# KiCad board GSTrackerOrderFile.kicad_pcb (continued)
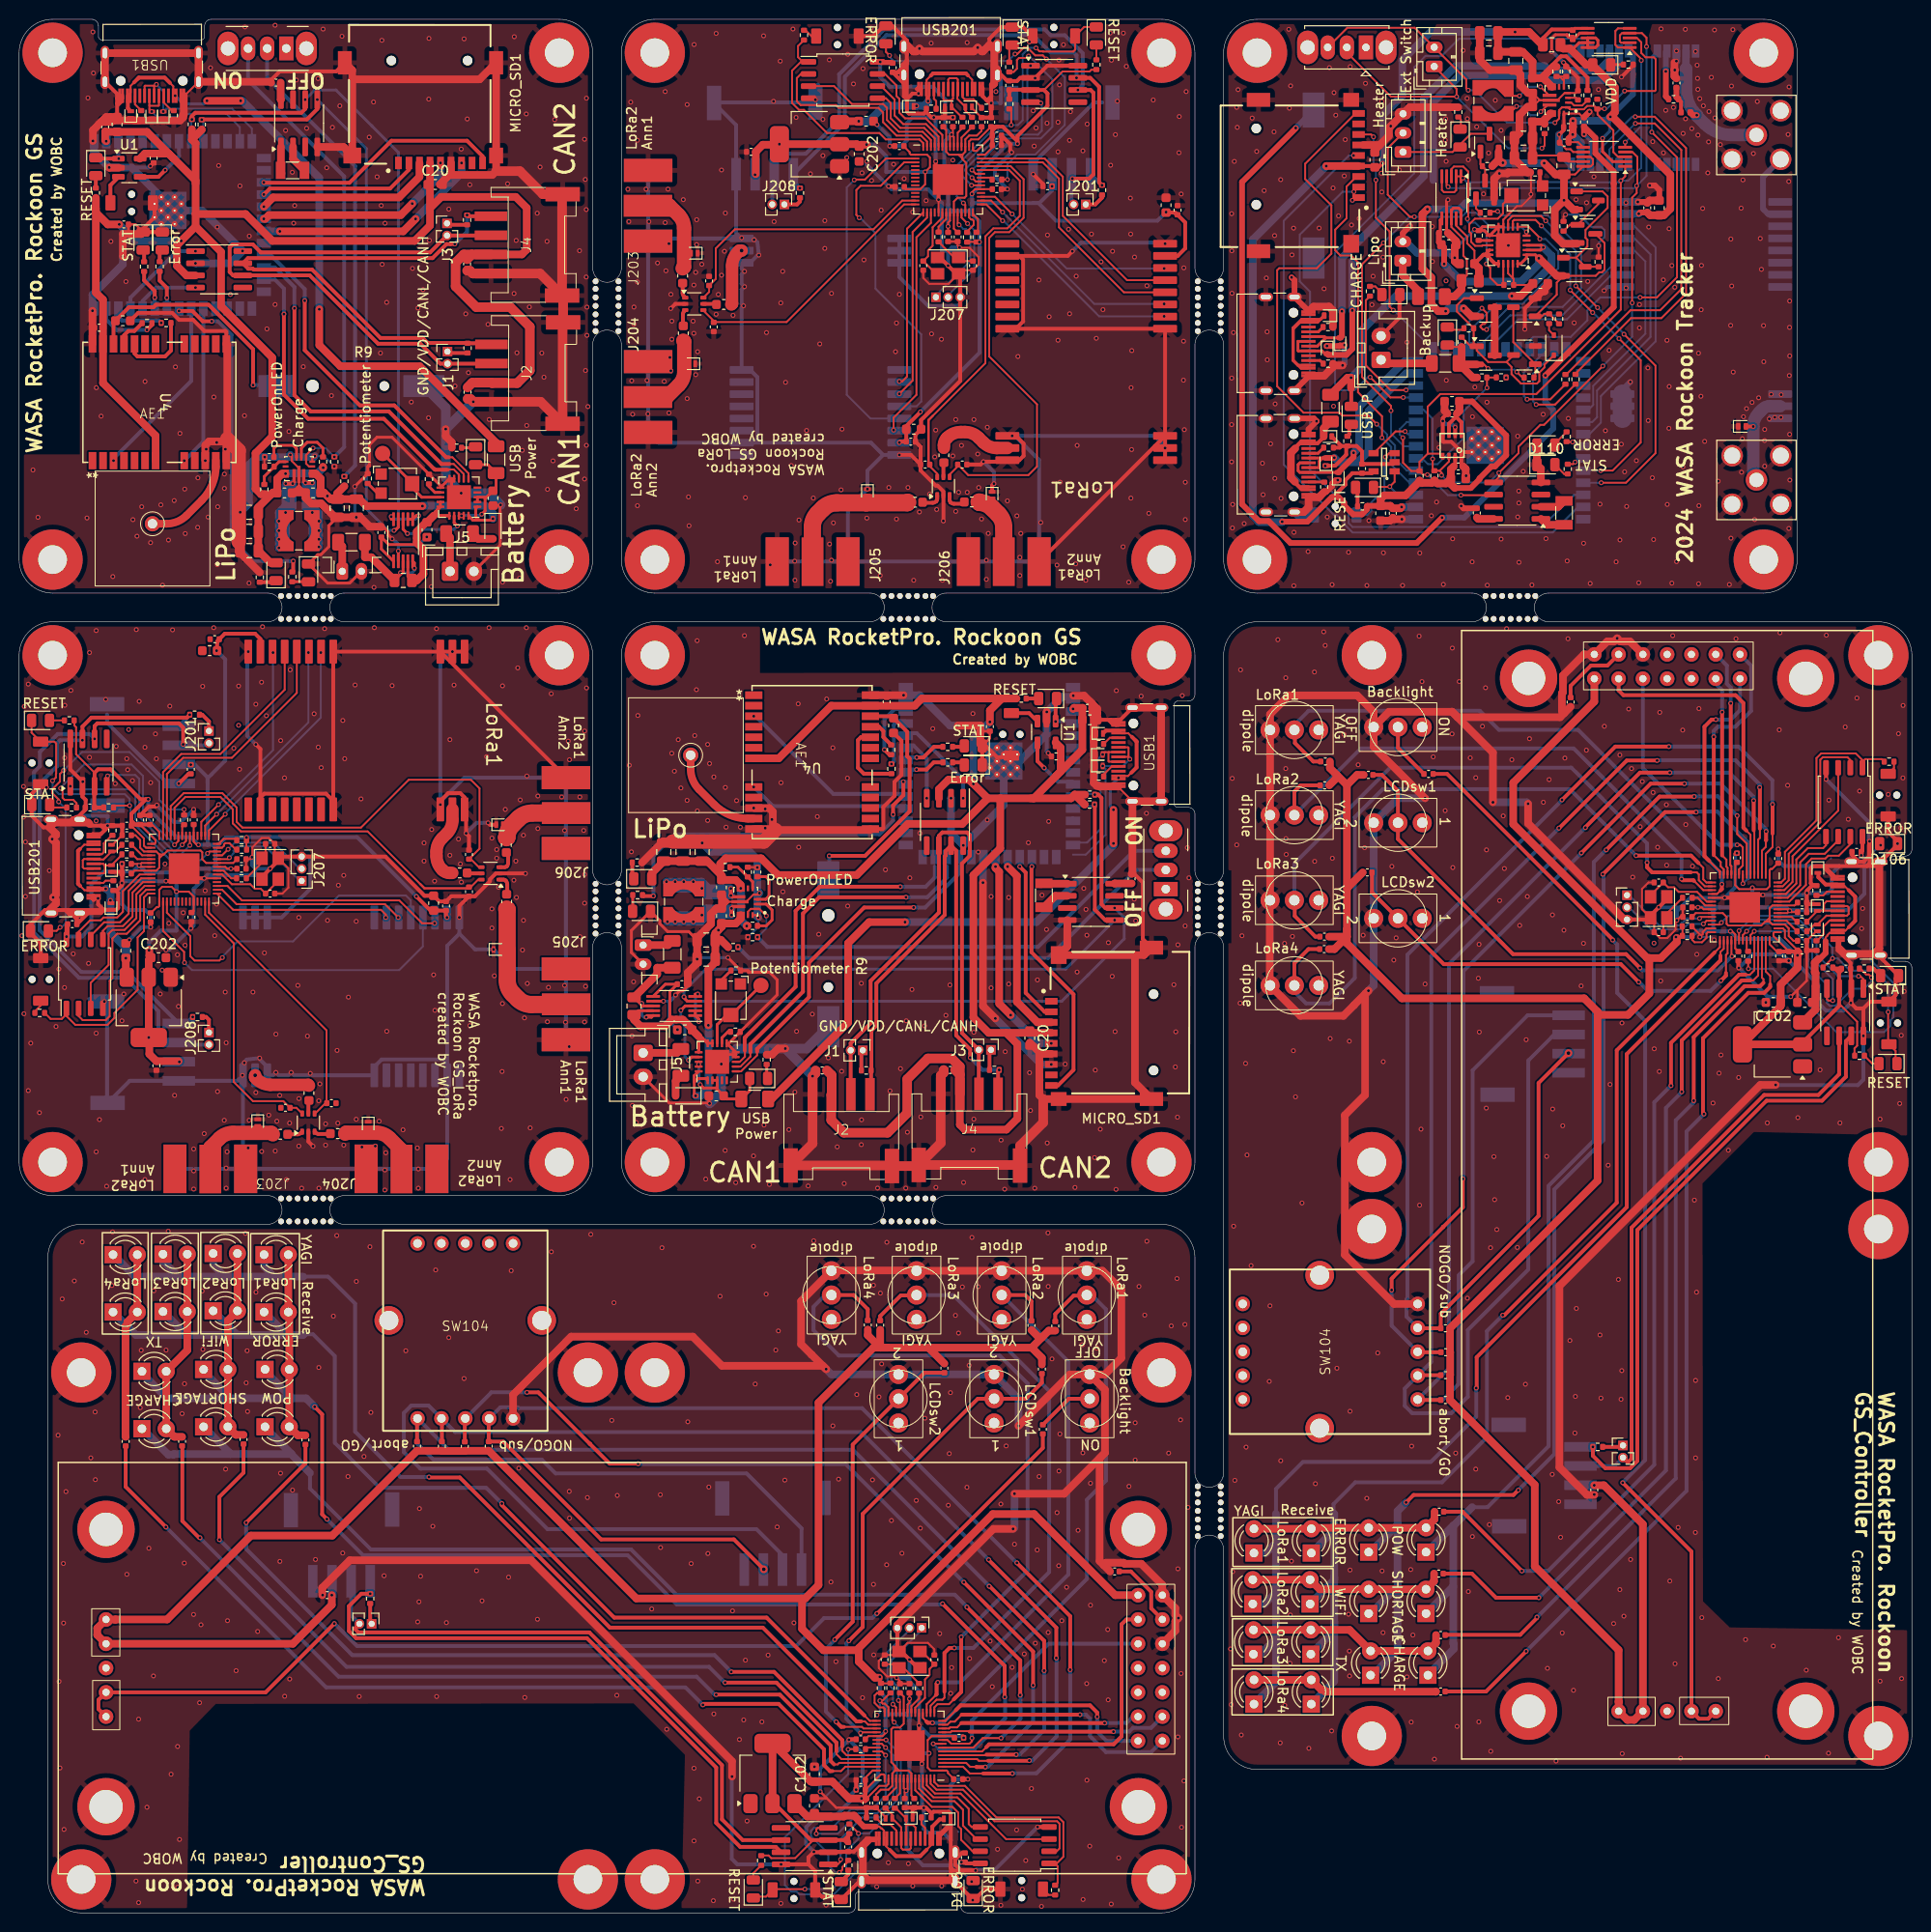
[diagram p0: board, top side]
## Routing (per net, layer and track width the routed paths; a pad name or vN(x,y) marks a point on that pad's centre or on a via; arc(x,y) is an arc through that point) (continued)
  Top w0.35: v1(133.55,186.63) 133.55,186.6 ; U107.14 153.32,173.37 153.17,173.37
  Top w0.4: v1(66.35,106.32) 65.31,106.32 R16#2.2 ; R115.1 159.1,180.84 RV101.3 ; U105.5 141.5,150.54 C112#3.2 139.47,150.54 138.74,149.81 138.74,149.34 137.44,148.04 ; v1(173.9,108.1) 174.02,107.97 175.14,107.97 175.21,107.91 ; v1(101.48,34.15) 101.52,34.15 107.23,28.45 v1(107.23,25.32) ; v1(85.33,28.57) 87.2,30.45 87.2,48.97 SW109#2.2 94.71,56.48 R124#2.2 ; R11#2.1 101.51,90.09 J3#2.1 ; 100.15,15.28 100.17,15.25 v1(101.08,15.25) ; v1(20.95,39.03) 20.95,43.5 23.48,46.03 R117#3.1 ; v1(94.28,156.94) 92.8,155.47 92.8,153.85 C210.1 92.18,153.84 v1(92.08,153.74) ; v1(192.7,110.57) C104#3.2 192.83,111.07 U103.8 ; C205.1 32.52,81.44 31.29,81.44 arc(31.14,81.49) 31,81.59 Switch201#2.3 ; v1(98.55,28.85) 98.55,23.1 97.77,22.32 ; D105#3.2 86.74,4.01 R110.2 ; R6.1 13.08,170.7 14.19,169.58 v1(14.19,168.9) ; v1(186.04,100.12) 186.23,100.12 186.32,100.2 186.32,100.51 186.18,100.64 C111.2 186.04,99.92 v1(186.04,100.12) ; v1(186.04,100.12) 185.64,100.52 185.44,100.52 ; v1(173.92,85.85) 173.92,91.22 180.2,97.5 181.1,97.5 ; J103.2 168.28,47.1 168.67,47.5 168.67,71.65 182.55,85.53 188.23,85.53 190.39,87.69 U102#3.6 ; v1(183.42,115.9) 183.42,112.85 ; R116#3.1 149.21,29.07 157.02,29.07 158.77,30.82 v1(158.77,30.93) ; 11.74,114.4 C226.2 ; 11.74,114.4 11.74,114.2 12.14,113.8 12.34,113.8 ; 11.74,114.4 11.74,114.92 13.26,116.44 v1(13.51,116.44) 12.7,116.44 9.56,119.58 8.26,119.58 7.89,119.22 U204.3 7.86,117.77 7.86,115.6 C218#2.2 R202#2.1 ; v1(169.42,97.32) 167.55,99.2 149.03,99.2 SW109.2 141.52,106.71 R124.2 ; v1(178.12,107.55) 178.12,107.05 177.97,106.9 ; C215#2.2 46.91,108.69 Switch202#2.5 ; v1(103.1,22.57) 103.1,25.82 v1(96.6,32.32) ; R122.2 41.62,51.65 SW104.5 ; v1(15.27,182.22) 14.58,181.53 12.62,181.53 ; v1(175.23,116.72) 171.6,116.72 v1(166.02,111.15) ; R114#3.2 162.3,128.3 164.43,130.43 166.16,130.43 lcd101.3 ; 101.8,186.16 C225#2.1 ; 101.8,186.16 C231#2.1 ; 101.8,186.16 101.8,186.36 102.2,186.76 102.4,186.76 ; SW104.4 44.23,51.65 R121#2.2 ; R4.1 95.67,120.3 94.92,119.55 v1(93.88,119.55) ; v1(164.63,48.72) 164.63,47.79 165.92,46.5 168.53,46.5 169.27,47.25 169.27,71.4 182.8,84.93 188.6,84.93 191.1,87.43 191.1,91.15 U102#3.7 ; v1(88.12,11.96) 87.92,11.96 C111#3.2 88.64,11.81 88.51,11.68 88.2,11.68 88.12,11.77 v1(88.12,11.96) ; v1(88.12,11.96) 88.52,12.36 88.52,12.56 ; 88.45,20.62 78.19,30.88 62.25,30.88 50.5,42.62 v1(50.5,42.8) ; U102#2.7 79.15,6.9 75.42,6.9 72.92,9.4 72.92,15.2 59.4,28.72 35.25,28.72 34.5,29.47 34.5,32.07 35.79,33.37 v1(36.73,33.37) ; v1(10.42,183.43) 8.12,183.43 D4#2.1 8.02,183.38 ; v1(4.96,102.08) 5.08,102.2 C219.2 4.95,103.25 U205.8 ; R122#2.2 146.35,53.62 SW104#2.5 ; v1(85.48,19.97) 86,19.45 86.27,19.45 ; 115,123.62 113.68,123.62 D1#2.2 ; R127#3.2 135.6,102.07 133.44,104.24 133.44,105.84 SW105#2.2 ; R110#2.2 193.99,98.74 D105#2.2 ; R6#2.1 95.7,121.93 94.59,120.81 v1(93.9,120.81) ; 148.95,71.7 143.58,66.32 v1(143.58,65.12) ; 148.95,71.7 151.02,73.78 v1(151.02,76.75) ; 148.95,71.7 148.95,71.75 ; v1(53.12,54.43) 54.33,54.43 59.7,49.05 ; SW1.1 105.65,125.45 106.52,124.57 ; C215.2 96.69,151.59 Switch202.5 ; 86.3,7.62 84.66,7.62 U102#2.3 82.83,7.61 79.02,11.43 U101#3.2 ; 86.3,7.62 86.55,7.37 C103.2 86.74,7.38 86.74,8.27 86.74,8.05 86.3,7.62 ; v1(99.15,31.97) 104.73,26.4 v1(104.73,22.78) ; R120.2 146.35,58.62 SW104#2.3 ; v1(72.92,22.82) 79.58,22.82 84.9,17.5 84.9,15.88 85.25,15.53 ; v1(84.75,110.53) 88.5,110.53 93.15,115.18 93.15,120.69 92.9,120.94 92.9,123.5 C1.2 91.27,125.12 U4#2.22 ; SW103.2 109.81,53.76 R113.1 ; 95.52,7.77 95.52,9.02 96.29,9.78 96.69,9.78 ; R128#3.2 134.88,100.78 133.4,99.3 SW106.2 ; v1(161.08,113.43) 161.1,113.43 168.17,120.5 v1(171.35,120.5) ; v1(28.62,149.45) v1(27.89,149.45) ; v2(77.9,35.93) 74.77,39.05 60.88,39.05 50.65,49.28 R119#3.2 49.12,51.65 SW104.2 ; v1(20.15,166.43) 19.2,166.43 18.12,167.5 v1(16.73,167.5) ; v1(108.42,124.57) 108.42,126.88 D4.1 108.38,126.97 ; 76.5,90 76.5,90.82 82,96.32 82,104.5 83.7,106.2 v1(92.77,106.2) ; v1(179.05,126.47) 179.05,111.44 ; C203.1 17.72,119.1 v1(16.7,118.08) ; 178.55,98.28 178.55,98 v1(178.02,97.47) ; SW104#2.4 146.35,56.22 R121#3.2 ; J208#2.1 19.86,93.38 19.56,93.68 R214.1 ; 12.34,113.8 C231.1 ; 12.34,113.8 C225.1 ; v1(157.65,27.35) 153.45,23.15 R115#3.1 ; J2#2.2 49.39,161.99 J1.2 44.07,161.99 41.98,164.07 37.55,164.07 30.4,171.22 23.41,171.22 23.4,171.22 22.38,171.22 22.02,171.57 22.02,174.15 22.33,174.45 24.46,174.45 25.29,173.62 43,173.62 J3.2 49.34,175.39 J4#2.2 ; R126#3.2 105.9,63.95 105.25,64.6 SW108.2 ; v1(95.55,19.88) 95.05,19.88 94.9,20.03 ; C204.1 69.41,169.37 arc(69.45,169.18) 69.56,169.01 Switch201.1 ; 96.8,23.12 96.8,27.18 97.33,27.7 v1(97.83,27.7) ; 18.05,187.75 18.05,187.85 18.42,188.22 29.52,188.22 29.92,188.63 v1(29.92,189.6) ; Switch202.3 97.34,147.7 arc(97.36,147.59) 97.43,147.49 97.43,147.49 arc(97.59,147.38) 97.79,147.34 98.69,147.34 C212#2.1 ; v1(172.58,121.95) 166.98,121.95 v1(161.4,116.38) ; R8#2.2 90.41,122.94 90.41,123.57 89.95,124.03 U4#2.21 ; v1(104.38,36.6) 109.95,31.03 v1(109.95,25.43) ; R8.1 13.89,166.04 v1(13.38,165.52) ; 12.02,191.4 12.52,191.9 ; 12.52,191.9 12.4,191.78 ; 12.52,191.9 15.23,191.9 15.77,191.35 ; R128#2.2 88.77,63.12 87.3,64.6 SW106#2.2 ; v1(113.28,180.65) 112.98,180.95 112.98,190.94 112.04,191.88 v1(110.62,191.88) ; SW1#2.1 9.55,180.65 10.42,181.53 ; v1(158.97,32.95) 154.5,32.95 151.98,35.47 R117#2.1 ; C211.1 51.06,106.57 51.06,107.57 arc(51.02,107.76) 50.91,107.93 50.89,107.95 arc(50.79,108.02) 50.68,108.04 Switch202#2.1 ; v1(177.5,124.78) 177.05,124.78 176.3,124.03 176.3,110.5 176.8,110 ; v1(165.67,108.6) 172.17,115.1 v1(175.42,115.1) ; J1#2.1 88.11,90.04 R10#2.1 ; v1(182.75,113.07) 182.75,112.18 182.73,112.15 ; 102.4,186.76 102.92,186.76 104.44,185.24 v1(104.44,184.99) 104.44,185.8 107.58,188.94 107.58,190.24 107.22,190.61 U204#2.3 105.77,190.64 103.6,190.64 C218.2 R202.1 ; 102.4,186.76 C226#2.2 ; v1(32.2,41.18) 31.7,41.68 31.7,52.12 v1(30.91,52.91) ; v1(86.8,28.45) 88.25,29.9 88.25,41.72 100.28,53.76 SW110#2.2 105.31,53.76 106.99,55.44 R123#3.2 ; 88.52,12.56 C116#3.1 ; 88.52,12.56 C110#2.1 ; 139.81,149.03 140.01,148.83 R108.2 ; R126.2 134.05,117.9 133.4,117.25 SW108#2.2 ; R129#2.1 167.62,48.72 J103.1 ; v1(89.73,31.3) 89.77,31.3 107.09,48.62 R113.2 ; D4#2.2 R3#2.2 ; v1(42.88,45.57) 42.92,45.53 46.1,45.53 61.8,29.82 77.8,29.82 87.6,20.03 88.09,20.03 ; 116.4,122.97 116.9,122.47 ; 116.9,122.47 116.9,119.78 116.35,119.22 ; 116.9,122.47 116.77,122.6 ; v1(107.23,119.72) 106.52,120.43 106.52,122.38 ; Switch202#2.3 50.8,109.34 arc(50.91,109.36) 51.01,109.43 51.01,109.43 arc(51.12,109.59) 51.16,109.79 51.16,110.69 C212.1 ; R118#2.1 29.95,47 v1(23.75,40.8) ; L101.2 173.85,189.37 R103#2.2 ; D6.2 13.08,173.78 R6.2 ; v1(95.08,189.44) 95.08,189.87 ; U203.10 121.2,173.26 121.98,174.04 121.98,176.76 C217.1 121,177.74 120.88,177.74 120.83,177.79 C216.1 119.93,177.74 ; 159.41,195.23 159.41,196.02 160.32,196.93 162.44,196.93 C128.1 ; U205#2.8 91.25,193.55 C219#2.2 90.2,193.42 v1(90.08,193.54) ; v1(182.08,117.68) 182.1,117.65 182.1,113.38 ; 133.46,123.69 133.46,122.31 135.38,120.39 R125#2.2 ; v1(152.42,54.88) 152.48,54.93 152.48,58.1 168.17,73.8 168.17,89.8 177.98,99.6 177.98,100.09 ; 185.44,100.52 C116.1 ; 185.44,100.52 C110#3.1 ; v1(172.67,119.22) 169.55,119.22 163.85,113.53 v1(163.85,113.47) ; C205#2.1 69.44,165.98 69.44,167.21 arc(69.49,167.36) 69.59,167.5 Switch201.3 ; 6.37,111.25 6.16,111.04 6.16,107.61 6.39,107.38 ; v1(32.98,30.25) 25.78,23.06 lcd101#2.17 8.3,22.27 8.3,21.31 lcd101#2.17 ; LED3.1 64.14,108.28 R22.1 ; 94.94,6.61 94.26,5.93 91.73,5.93 91.07,6.59 ; Switch201#2.5 30.26,84.89 C208#2.2 ; v2(162.08,89.9) 158.95,86.78 158.95,72.88 148.72,62.65 R119#2.2 146.35,61.12 SW104#2.2 ; U4#2.20 88.05,122.93 87.75,122.62 87.75,119.72 88.36,119.12 R9.2 ; R125#3.2 108.39,62.62 110.32,64.54 111.69,64.54 ; v1(31.2,189.6) 31.2,188.63 30.09,187.53 19.27,187.53 ; v1(105.67,15.93) 105.65,15.9 101.38,15.9 ; v1(181.41,155.42) 180.62,155.42 180.58,155.38 ; R8.2 12.06,165.41 11.43,165.41 10.98,164.95 U4.21 ; v1(91.42,114.85) 91.42,115.8 92.5,116.88 v1(92.5,118.27) ; C103#3.1 150.23,151.39 U101#2.2 ; Switch202.1 96.04,147.82 arc(96.02,147.71) 95.95,147.61 95.93,147.59 arc(95.76,147.48) 95.57,147.44 94.57,147.44 C211#2.1 ; R114.2 116.3,35.7 118.43,33.57 118.43,31.84 lcd101#2.3 ; C102#3.1 150.37,156.37 150.88,155.87 U101#2.8 ; C102#3.1 150.37,156.5 149.58,155.7 149.58,154.56 ; C102#3.1 150.22,156.63 ; D6#2.2 98.77,121.93 R6#2.2 ; J1.1 44.96,163.11 R10.1 ; v1(15.35,40.35) 11.15,44.55 R115#2.1 ; v1(181.45,116.3) 181.45,113.2 ; 175.67,109.78 174.9,110.55 v1(169.15,110.55) ; J103#2.2 35.1,29.72 35.5,29.32 59.65,29.32 73.52,15.45 73.52,9.78 75.69,7.61 U102#2.6 ; C208.2 72.89,168.24 Switch201.5 ; v1(172.8,86.5) 172.8,90.97 179.92,98.1 180.61,98.1 ; LED3#2.1 26.72,139.14 R22#2.1 ; v1(92.17,107.3) 83.75,107.3 81.23,104.78 81.23,96.84 75.95,91.56 75.95,91.53 75.9,91.47 75.9,90.18 ; MICRO_SD101.4 141.69,182.66 C105#2.1 ; 95.38,192.11 95.61,192.34 99.04,192.34 99.25,192.13 ; v1(25.6,180.94) 25.64,180.9 34.55,180.9 38.95,185.3 46.86,185.3 48.48,183.68 MICRO_SD1#2.CD1 ; R4#2.2 14.7,173.6 D5#2.2 ; 190.38,98.31 190.38,96.66 U102#3.3 190.39,94.83 186.58,91.02 186.58,90.81 ; 190.38,98.31 190.63,98.55 C103#2.2 190.62,98.74 189.73,98.74 189.95,98.74 190.38,98.31 ; v1(9.06,107.08) 8.63,107.08 ; J201.1 19.86,124.58 19.16,125.28 R201#2.1 ; J208.1 81.38,178.64 81.68,178.94 R214#2.1 ; 139.35,157.51 139.35,159.42 139.33,159.44 ; 91.23,121.1 91.04,121.1 v1(90.52,121.62) ; 95.39,8.2 95.44,8.15 ; v1(99.5,89.43) 99.5,89.86 99.49,89.87 99.49,90.29 98.02,91.76 98.02,111.06 U2#2.7 96.91,111.03 96.91,110.54 96.83,110.45 96.83,104.35 89.67,97.2 89.67,92.78 89.15,92.26 89.15,88.12 R10#2.2 89.12,85.71 J2.1 ; 153.17,173.37 153.46,173.37 154.39,172.43 154.73,172.43 ; 153.17,173.37 C118#2.1 ; 153.17,173.37 U107.15 ; v1(6.62,122.62) 6.62,124.04 7.56,124.98 17.55,124.98 v1(17.85,125.28) ; MICRO_SD1#2.2 40.78,182.28 38.81,180.3 26.23,180.3 v1(25.6,179.68) ; 110.63,190.73 v1(110.75,190.61) 112.09,190.61 112.38,190.32 112.38,181.79 111.93,181.34 v1(110.18,181.34) ; 11.38,190 11.38,188.69 D1.2 ; 143.93,150.67 143.94,150.68 ; v1(166.7,101.72) 166.7,101.78 149.38,119.09 R113#2.2 ; R9#2.2 15.88,163.36 15.27,162.75 12.38,162.75 12.08,163.05 12.08,164.05 ; v1(93.58,105.12) 88.4,105.12 82.62,99.35 82.62,95.75 77.2,90.32 77.2,90.05 ; v1(175.17,84.93) 175.17,91.57 180.5,96.9 182.12,96.9 182.48,97.25 ; v1(18.92,39.22) 18.83,39.22 17.08,40.97 17.08,48.79 R116.1 ; R123.2 142.56,118.99 144.24,117.31 SW110.2 144.24,112.28 156.27,100.25 168.1,100.25 v1(169.55,98.8) ; 183.17,97.07 183.17,96.82 182.55,96.2 180.9,96.2 176.15,91.45 176.15,83.62 v1(176.25,83.53) ; J103#2.1 36.73,30.38 R129.1 ; 101.17,17.32 101.48,17.62 114.5,17.62 115.33,18.45 115.33,30.18 115.83,30.68 lcd101#2.4 ; v1(74.45,106.38) v1(74.45,107.11) ; v1(98.58,5.3) C104.2 99.07,5.17 U103#2.8 ; v1(46.86,177.53) 46.98,177.41 J4#2.1 ; 77.06,181.82 v1(76.98,181.74) ; R134.1 164.07,191.89 161.83,194.13 161.29,194.13 159.01,191.84 C124.1 ; 13.62,91.47 v1(13.56,91.53) 13.59,91.56 ; v1(105.95,109.4) 105.9,109.35 105.9,100.45 110.3,96.05 110.3,88.14 108.68,86.52 MICRO_SD1.CD1 ; 59.7,49.05 61.77,46.97 v1(64.75,46.97) ; 59.7,49.05 59.75,49.05 ; v1(142.62,182.95) 142.2,182.53 C105#2.1 ; v1(28.8,167.78) 28.8,158.7 30.5,157 38.67,157 44.17,151.5 45,151.5 ; v1(29.97,149.53) v1(30.67,149.53) ; 79.56,184.91 v1(79.53,184.94) 79.47,184.88 ; R4.2 98.6,120.3 D5.2 ; J2#2.1 49.29,164.12 R10.2 46.88,164.16 42.74,164.16 42.22,164.68 37.8,164.68 30.65,171.82 24.55,171.82 24.46,171.92 23.97,171.92 U2.7 23.94,173.03 43.24,173.03 44.71,174.49 45.13,174.49 45.14,174.5 v1(45.58,174.5) ; v1(112.77,20.5) 112.77,20.95 112.02,21.7 98.5,21.7 98,21.2 ; D4.2 R3.2 ; v1(41.56,106.28) 43.03,104.81 C209#2.1 44.65,104.81 C210#2.1 44.66,104.18 v1(44.76,104.08) ; 180.67,113.18 180.38,113.47 180.38,126.5 179.55,127.32 167.83,127.32 167.32,127.83 lcd101.4 ; 188.22,108.69 188.22,108.29 188.98,107.53 190.23,107.53 ; MICRO_SD1.2 107.28,94.22 105.3,96.19 105.3,108.78 v1(104.67,109.4) ; v1(9.56,105.88) 9.56,105.63 ; v1(29.88,168.57) 29.88,163.4 35.65,157.62 39.25,157.62 44.67,152.2 44.95,152.2 ; R16.2 28.67,140.31 v1(28.67,141.35) ; v1(157.2,35.75) 151,41.95 R118#3.1 ; v1(177.27,122.97) 177.27,110.6 ; R113#3.1 139.14,154.59 139.14,155.51 ; J2.2 86.99,85.61 J1#2.2 86.99,90.94 89.08,93.03 89.08,97.45 96.23,104.6 96.23,111.59 U2#2.6 96.22,112.62 96.58,112.97 99.15,112.97 99.46,112.67 99.46,110.54 98.62,109.71 98.62,92 J3#2.2 100.39,85.66 J4.2 ; 191.41,103.07 192.07,103.73 192.07,106.26 191.39,106.94 ; C204#2.1 29.13,81.41 arc(29.32,81.45) 29.49,81.56 Switch201#2.1 ; U4.22 9.88,166.28 C1#2.2 11.5,167.9 14.06,167.9 14.31,168.15 19.83,168.15 24.48,163.5 v1(24.48,159.75) ; 112.52,115.73 112.52,104.91 113.63,103.81 v1(114.6,103.81) ; J4.1 102.41,88.02 v1(102.53,88.14) ; v1(167.75,44.97) 174.94,37.78 lcd101.17 175.73,20.3 176.69,20.3 lcd101.17 ; v1(15.45,168.88) 15.45,169.93 14.7,170.68 R4#2.1 ; v1(103.9,14.57) 100.85,14.57 ; C105#2.1 141.92,182.62 ; 174.88,108.8 170.83,108.8 170.3,109.32 v1(170.3,109.82) ; J3.1 44.91,176.51 R11.1 ; 44.83,150.9 43.52,150.9 43.48,150.95 43.44,150.95 38.16,156.22 30.23,156.22 27.7,158.75 v1(27.7,167.18) ; 189.8,107.39 189.85,107.44 ; 85.5,16.9 85.5,17.8 79.23,24.07 v1(73.85,24.07) ; v1(74.52,105.03) v1(74.52,104.33) ; v1(178.15,125.55) 178.15,110.57 ; v1(145.09,42.91) 145.88,43.7 156.33,43.7 v1(156.83,44.2) ; 20.76,131.93 C216#2.1 20.71,132.83 20.76,132.88 20.76,133 C217#2.1 21.51,133.75 24.69,133.75 25.24,133.2 U203#2.10 ; 16.68,89.06 v1(16.76,88.98) ; 177.38,100.45 167.12,90.19 167.12,74.25 155.38,62.5 v1(155.2,62.5) ; SW103#2.2 144.24,121.81 R113#2.1 ; v1(98.83,34.57) 106.08,27.32 v1(106.08,23.8) ; R120#2.2 46.62,51.65 SW104.3 ; v1(163.42,110.82) 170.67,118.07 v1(174.2,118.07) ; v1(104.3,16.55) 101.2,16.55 ; 95.91,22.79 95.98,22.86 95.98,23.97 v1(96.1,24.1) ; R127#2.2 90.08,62.4 92.24,64.56 93.84,64.56 SW105.2 ; 134.89,153.67 135.84,153.67 136.52,154.35 D105.2 ; 112.75,116.95 112.85,116.95 113.23,116.57 113.23,105.48 113.63,105.07 v1(114.6,105.07) ; v1(113.55,19.85) 98.57,19.85 ; v1(93.88,188.94) 93.63,188.94 ; 86.1,17.39 86.1,18.07 78.98,25.2 v1(74.5,25.2) ; v1(114.48,18.95) 99.44,18.95 ; v1(108.5,26.65) 108.5,29.82 101.42,36.9 v1(101.42,36.93) ; J201#2.1 112.58,178.64 113.28,179.34 R201.1 ; v1(17.16,122.18) 17.16,123.93 16.71,124.38 8.18,124.38 7.89,124.09 v1(7.89,122.75) 7.77,122.63 ; v1(71.52,21.75) 71.62,21.85 79.45,21.85 84.2,17.1 84.2,15.45 84.83,14.82 85.08,14.82 ; v1(110.98,20.72) 98.6,20.72
  Top w0.6: D107#3.2 137.49,152.13 137.55,152.19 ; v1(175.5,187.97) 175.12,187.97 L101.1 ; v1(163.7,185.97) C111#2.2 164.89,185.59 164.89,184 166.8,182.09 166.8,180.81 166.81,180.8 166.81,167.91 159.66,160.76 v1(159.65,160.76) ; v1(149.07,172.41) 149.07,174.14 C117#2.1 148.52,174.69 148.52,175.69 ; v1(139.6,152.68) 139.6,152.23 138,150.63 ; 87.75,9.78 87.75,9.64 88.37,9.03 89.6,9.03 ; v1(139.46,167.55) 139.46,163.53 138.84,162.91 136.94,162.91 D103#2.2 ; C104#2.1 152.01,158.04 155.57,154.49 155.57,152.42 154.4,151.25 154.02,151.25 152.77,150 152.77,149.9 151.86,148.99 150.18,148.99 ; C116#2.1 162.07,185.14 162.07,185.53 162.49,185.95 v1(162.52,185.95) ; C109#3.1 173.37,189.85 R103#2.2 ; 188.98,101.6 188.98,100.37 188.36,99.75 188.23,99.75 ; v1(132.13,145.46) 132.14,145.47 134.76,145.47 137.33,148.04 138.01,148.04 138.61,147.44 138.61,147.17 139.55,146.23 140.47,146.23 140.97,146.73 140.97,147.05 141.04,147.12 C113.2 ; D104#2.2 138.38,164.9 v1(138.38,167.47) ; v1(148.85,145.89) 146.2,143.24 133,143.24 130.72,145.53 129.7,145.53 127.93,147.29 127.93,180.98 133.55,186.6 ; v1(172.26,192.55) 172.26,189.94 R103#2.1 ; v1(169.43,177.66) 169.57,177.8 C108#2.1
  Top w0.8: 95.27,59.1 95.27,58.96 R124#2.1 ; 95.27,59.1 90.88,59.1 ; 95.27,59.1 105.92,59.1 ; v1(76.11,103.19) 76.13,103.21 R19#2.1 ; C104#2.1 150.66,157.04 150.41,156.79 ; C108#2.1 170.62,177.5 C107#3.1 172.05,177.5 172.73,178.18 172.73,181.75 166.68,187.8 v1(166.46,187.8) 166.93,188.27 166.93,190.88 164.55,193.26 163.91,193.26 162.24,194.93 161.53,194.93 161.23,195.23 R137.2 ; J5#2.1 45.08,143.82 F2#2.1 ; F2#2.2 48.02,143.68 D7.2 ; 16.12,183.47 13.38,186.22 C4.2 9.04,186.22 C5.1 9,185.36 v1(9.11,185.25) ; 16.12,183.47 15.65,183.95 C2#2.2 13.15,183.95 12.62,183.43 ; 16.12,183.47 18.46,181.14 18.46,177.64 ; 186.7,93.24 187.92,94.46 187.92,96.9 ; C119.1 C120.1 158.32,187.3 159.35,187.3 ; U102.1 159.82,145.14 Y101#3.1 ; v1(101.55,124.53) 101.55,125.72 102.8,126.97 103.22,126.97 ; v1(162.52,185.95) 162.53,185.96 C110.2 162.55,186.75 v1(162.55,187.38) ; R117#3.2 22.68,49.99 D116#2.2 D114.2 21.84,61.95 D115.2 D113#2.2 ; F102.2 150.69,161.91 Q103.2 ; F102.2 152.06,160.54 R116#2.1 ; F102.2 150.9,162.34 R122#3.1 ; Y101#3.2 161.01,147.03 U102.2 ; 162.97,174.53 161.52,174.53 160.64,175.41 160.64,178.1 v1(161.61,179.07) ; U102.8 152.63,145.76 C106#3.2 ; v1(103.4,109.4) 104.38,108.43 104.38,95.27 106.53,93.12 MICRO_SD1.3 ; 105.92,59.1 106.99,58.03 R123#3.1 ; 105.92,59.1 106.99,60.16 ; 88.71,184.88 88.07,184.88 C202.1 87.63,184.94 U201.2 v1(79.53,184.94) ; 159.44,191.84 159.44,191.99 160.49,193.04 R136.2 ; 159.44,191.84 C124.1 158.32,193.57 157.29,194.59 C125.1 154.82,194.59 C126.1 154.7,196.67 v1(156.49,196.67) 157.97,196.67 159.41,195.23 ; 159.44,191.84 U110.7_8 ; 138.9,117.93 138.9,107.28 ; 138.9,117.93 139.97,118.99 R123.1 ; 138.9,117.93 137.84,118.99 ; 138.9,107.28 139.04,107.28 R124.1 ; 138.9,107.28 138.9,102.88 ; 110.42,116.93 110.04,116.54 105.83,116.54 ; 110.42,116.93 111.45,115.9 R7#2.1 ; 110.42,116.93 R5.1 ; U8.8 27.36,189.62 C21#2.2 ; R133.2 150.88,169.75 150.13,169 F103.1 ; 84.9,10.07 82.46,10.07 81.24,11.3 ; 84.9,10.07 86.27,10.07 86.36,10.16 87.36,10.16 87.75,9.78 ; 84.9,10.07 83.55,10.07 C101.1 ; C11.1 73.42,101.73 R15.1 ; C11.1 C10.1 72.83,99.4 72.1,98.68 v1(72.1,92.81) ; C11.1 72.83,102.43 v1(73.15,102.75) 73.52,103.13 73.52,103.48 ; 73.52,103.48 73.62,103.48 ; 73.52,103.48 73.55,103.45 74.96,103.45 75.49,103.98 U6.12_13 ; v1(110.25,125.89) 110.36,126 C5#2.1 111.23,125.96 C4#2.2 111.23,121.62 108.48,118.88 ; v1(161.61,179.07) 161.61,181.76 R130.1 160.72,181.78 v1(159.53,182.96) ; v1(161.61,179.07) 162.58,178.1 Q105.2 ; 187.92,96.9 187.92,95.55 187.58,95.2 ; 187.92,96.9 187.92,98.27 187.84,98.36 187.84,99.36 188.23,99.75 ; 103.25,92.02 MICRO_SD1.4 ; 103.25,92.02 104.42,90.84 104.42,83.05 103.27,81.9 98.92,81.9 98.41,82.41 J4.3 ; 103.25,92.02 101.43,92.02 99.83,93.62 99.83,108.5 102.64,111.32 102.64,116.54 ; D109#2.2 D111#2.2 17.59,58.82 D110#3.2 D112.2 16.24,49.78 R116.2 ; 18.46,180.82 18.46,185.04 18.08,185.43 ; U110.12_13 160.19,188.14 159.35,187.3 ; 184.27,95.7 184.27,94.81 U101.2 186.58,90.81 ; 184.27,95.7 184.27,97.07 185.12,97.93 185.14,97.93 186.04,98.83 v1(186.04,100.12) ; 184.27,95.7 C102#2.1 ; D107#2.2 D108.2 11.33,61.78 11.33,61.53 11.12,61.32 11.12,49.81 R115#2.2 ; 108.42,122.38 108.95,121.85 C2.2 108.95,119.35 108.48,118.88 ; F3.2 67.89,101.19 J6.1 ; R7.1 19.1,186.45 18.08,185.43 ; 170.54,99.84 170.31,99.84 156.3,113.85 156.3,118.18 164.78,126.66 lcd101.2 ; 170.54,99.84 170.54,96.14 168.3,93.9 165.2,93.9 165.12,93.82 ; 170.54,99.84 171.74,99.84 173.41,101.51 173.41,101.95 ; 139.33,159.44 v1(139.33,160.52) 138.96,160.52 F101.2 ; 154.77,183.32 155.09,183 v1(155.22,183) ; 154.77,183.32 R128.1 ; 154.77,183.32 Q109.2 ; v1(75.49,107.13) 75.49,107.48 74.96,108 73.52,108 73.52,108.43 73.34,108.62 ; v1(114.48,115.34) v1(114.48,111.82) ; 90.88,59.1 89.38,59.1 83.62,53.35 83.62,34.28 82.23,32.88 64.57,32.88 R119#3.1 46.64,48.32 R120#2.1 44.25,48.3 R121#2.1 R122.1 32.75,39.45 24.25,39.45 15.48,30.68 10.1,30.68 ; 90.88,59.1 90.08,59.1 ; 102.64,116.54 101.34,116.54 ; 102.64,116.54 106.14,116.54 108.48,118.88 ; R115#3.2 148.2,23.12 136.67,23.12 136.48,23.32 136.22,23.32 D108#2.2 D107.2 ; F2.1 68.82,89.93 J5.1 ; C11#2.1 32.57,147.82 v1(32.25,148.15) 31.87,148.53 31.52,148.53 ; C11#2.1 C10#2.1 35.6,147.82 36.33,147.1 v1(42.2,147.1) ; C11#2.1 33.27,148.43 R15#2.1 ; 137.84,118.99 137.12,119.71 R125#2.1 ; 137.84,118.99 137.84,118.68 R126.1 ; v1(19.66,189.47) v1(23.17,189.47) ; R118#2.2 29.15,49.94 D120#2.2 D118#2.2 28.26,62.72 D119#2.2 D117.2 ; R125#3.1 107.71,60.88 106.99,60.16 ; U101#3.2 U101#3.2 82.81,13.72 83.7,13.72 ; 167.37,22.05 167.32,22.1 ; 167.32,22.1 lcd101.15 168.24,20.18 168.95,20.18 lcd101.15 169.86,40.63 165.78,44.71 v1(164.77,44.71) ; 167.32,22.1 167.32,27.48 158.55,36.25 158.55,44.75 R122#2.1 R121#3.1 149.7,56.25 R120.1 149.68,58.65 R119#2.1 165.12,76.57 165.12,94.22 163.73,95.62 144.65,95.62 138.9,101.38 138.9,102.88 ; 31.52,148.53 31.55,148.56 31.55,149.96 31.02,150.49 U6#2.12_13 ; 31.52,148.53 31.52,148.62 ; Q103.3 154.36,167.88 Q104.3 ; 99.39,118.49 97.21,118.49 96.22,117.49 U2#2.3 ; 99.39,118.49 v1(99.83,118.05) ; 99.39,118.49 101.34,116.54 ; 90.08,59.1 88.77,60.4 R128#2.1 ; 90.08,59.1 R127#2.1 ; U8#2.2 108.39,106.34 Y1#2.2 ; 106.99,60.16 106.68,60.16 105.9,60.94 ; 136.47,154.37 136.47,155.23 F101.1 ; F3#2.2 33.8,142.89 J6#2.1 ; v1(103.73,93.88) 102.52,95.07 102.52,108.87 102.13,109.26 v1(102.13,109.4) ; lcd101#2.2 114.65,33.22 106.17,41.7 101.85,41.7 87.84,27.69 87.84,27.46 ; R133.1 152.71,171.97 C118#2.1 ; D117#2.2 D119.2 135.27,40.26 D118.2 D120.2 148.07,41.16 R118#3.2 ; v1(149.23,167.48) 148.45,167.48 147.73,168.2 147.73,171 146.8,171.93 146.8,177.62 v1(147.31,178.14) ; v1(27.87,150.49) 27.52,150.49 27,149.96 27,148.53 26.57,148.53 26.38,148.34 ; v1(87.83,187.34) 85.93,187.34 U201.3 ; F3.1 66.75,98.83 66.75,98.16 R18.2 ; v1(41.12,178.72) 39.92,177.53 26.13,177.53 25.74,177.13 v1(25.6,177.13) ; 42.98,178.25 44.16,179.43 51.95,179.43 53.1,178.28 53.1,173.92 52.59,173.41 J4#2.3 ; 42.98,178.25 42.98,176.43 41.38,174.82 26.5,174.82 23.68,177.64 18.46,177.64 ; 42.98,178.25 MICRO_SD1#2.4 ; D113.2 D115#2.2 136.05,33.84 D114#2.2 D116.2 148.01,34.68 R117#2.2 ; 26.38,148.34 25.02,146.98 25.02,142.44 26.29,141.18 LED3#2.2 ; 26.38,148.34 R21.2 25.31,148.34 24.73,148.92 24.73,152.63 26.48,154.37 26.48,162.63 21.12,167.98 21.12,173.68 18.46,176.34 ; 83.7,13.72 85.08,13.72 85.92,12.88 85.92,12.86 86.83,11.96 v1(88.12,11.96) ; 83.7,13.72 C102.1 ; C101#2.1 149.77,149.39 150.18,148.99 ; C101#2.1 149.28,149.47 148.36,149.47 148.06,149.77 R112#3.1 147.81,149.53 146.74,149.53 146.52,149.75 R110#3.1 146.49,149.67 145.04,148.22 142.81,148.22 142.43,147.84 C113.2 143.45,147.12 143.7,146.87 144.49,146.87 v1(144.62,147) ; C101#2.1 149.77,150.94 C103#3.1 ; 8.02,178.22 8.02,169.43 8.77,168.68 8.77,159.96 14.27,154.46 U4.7 ; 8.02,178.22 8.02,177.8 9.27,176.55 v1(10.48,176.55) ; 8.02,178.22 R3#2.1 ; 73.34,108.62 R21#2.2 73.34,109.69 73.92,110.27 77.63,110.27 79.37,108.53 87.63,108.53 92.98,113.88 98.67,113.88 101.34,116.54 ; 73.34,108.62 71.98,109.97 C17#2.1 66.17,108.71 LED3.2 ; Y1#2.1 107.24,107.62 U8#2.1 ; 10.1,30.68 lcd101#2.15 8.17,29.76 8.17,29.06 lcd101#2.15 28.63,28.14 32.71,32.22 v1(32.71,33.22) ; 10.1,30.68 10.05,30.63 ; U4#2.11 76.25,114.43 arc(74.33,114.81) 72.71,115.89 71.13,117.47 arc(70.48,118.44) 70.25,119.59 AE1#2.1 ; 43.36,146.09 C12.1 42.57,145.4 41.6,144.42 41.6,143.28 42.29,142.58 42.29,140.01 41.61,139.32 R18#2.1 ; 18.46,177.64 18.46,176.34 ; 87.84,27.46 87.84,26.26 89.51,24.59 89.95,24.59 ; 87.84,27.46 84.14,27.46 81.9,29.7 81.9,32.8 81.83,32.88 ; 138.9,102.88 138.9,102.07 ; 138.9,102.07 R127#3.1 ; 138.9,102.07 137.6,100.78 R128#3.1 ; v1(27.27,175.82) 40.17,175.82 v1(41.48,177.12) ; 71.09,91.64 C12#2.1 70.4,92.43 69.42,93.41 68.28,93.41 67.58,92.71 65.01,92.71 64.33,93.39 R18.1 ; 13.62,91.47 13.62,89.8 C233#2.2 16.68,89.06 ; F103.2 146.34,169.64 144.75,171.23 144.75,172.74 ; 79.47,184.88 77.8,184.88 C233.2 77.06,181.82 ; Y1.1 27.38,182.24 U8.1 ; v1(31.4,167.68) 31.4,163.93 33.6,161.72 41.9,161.72 49.89,153.73 F1.1 ; Y1.2 28.65,183.39 U8.2 ; 18.08,185.43 R5#2.1 ; MICRO_SD1#2.3 41.88,181.53 39.73,179.38 26.57,179.38 v1(25.6,178.41) ; v1(156.15,169.06) 157.05,169.06 C115#3.1 ; 133.47,149.64 133.04,150.07 133.04,152.67 133.49,153.12 ; 27.4,181.81 27.43,181.85 ; C21.2 114.62,107.64 U8#2.8 ; 159.35,187.3 R131.2 ; 106.82,107.6 106.85,107.56 ; 20.58,151.85 20.58,151.25 arc(20.19,149.33) 19.11,147.71 17.53,146.13 arc(16.56,145.48) 15.41,145.25 AE1.1 ; 142.46,162.37 142.81,162.02 F102.1 147.64,162.16 ; 103.22,126.97 94.43,126.97 93.68,126.22 84.96,126.22 79.46,120.72 U4#2.7 ; 103.22,126.97 R3.1 ; 18.46,176.34 16.51,174.39 ; 16.51,174.39 v1(16.95,174.82) ; 16.51,174.39 16.51,172.21 17.51,171.22 18.45,171.22 ; F1#2.1 78.73,85.1 86.73,93.1 86.73,101.4 88.92,103.6 v1(92.67,103.6) ; 13.62,100.71 13.62,100.07 C202#2.1 13.56,99.63 U201#2.2 v1(13.56,91.53) ; F3#2.1 36.17,141.75 36.85,141.75 R18#2.2 ; D109#3.2 D111#3.2 139.17,29.59 D110.2 D112#2.2 148.22,28.24 R116#3.2 ; D7#2.2 68.67,86.98 F2.2 ; v1(136.74,182.65) 136.75,182.66 MICRO_SD101.4 ; Q104.2 151.94,166.94 v1(151.11,167.77) ; v1(158.97,173.01) 159.02,173.01 160.86,171.17 Q106.2 ; 31.79,151.22 31.79,151.13 v1(31.81,151.11) ; U201#2.3 11.16,97.93 v1(11.16,99.83)
  Top w1: 46.91,159.5 47.41,160 J2#2.3 49.47,159.95 52.1,159.95 53.42,161.28 53.42,165.85 51.38,167.9 47.83,167.9 45.66,170.06 45.66,172.56 46.51,173.41 47.36,173.41 ; J4#2.3 47.36,173.41 ; 47.36,173.41 46.86,172.91 ; 98.41,87.64 98.41,88.49 97.56,89.34 95.07,89.34 92.9,87.18 92.9,83.62 90.85,81.57 86.27,81.57 84.95,82.9 84.95,85.53 J2.3 85,87.59 84.5,88.09 ; 98.41,87.64 J4.3 ; 98.41,87.64 97.91,88.14
  Top w1.3: C208#2.1 30.24,86.58 26.29,86.58 arc(25.52,86.73) 24.87,87.17 24.69,87.35 v2(24.69,87.58) ; C208.1 74.58,168.26 74.58,172.21 arc(74.73,172.98) 75.17,173.63 75.35,173.81 v2(75.58,173.81) ; U203#2.21 45.33,114.28 arc(45.18,113.51) 44.74,112.86 44.25,112.37 arc(43.81,111.72) 43.66,110.95 43.66,110.51 arc(43.81,109.74) 44.25,109.09 44.31,109.03 arc(44.63,108.82) 45.01,108.74 C215#2.1 ; U203.21 102.28,153.17 arc(101.51,153.32) 100.86,153.76 100.37,154.25 arc(99.72,154.69) 98.95,154.84 98.51,154.84 arc(97.74,154.69) 97.09,154.25 97.03,154.19 arc(96.82,153.87) 96.74,153.49 C215.1
  Top w1.5: J204#2.1 40,79.75 38.76,80.99 arc(38.11,81.43) 37.34,81.58 34.21,81.58 C205.2 ; J203.1 20,80.02 20.95,80.97 arc(21.6,81.41) 22.37,81.56 26.39,81.56 C204#2.2 ; 56.94,114.72 J206#2.1 ; J204.1 67.75,158.5 68.99,159.74 arc(69.43,160.39) 69.58,161.16 69.58,164.29 C205#2.2 ; C204.2 69.56,172.11 69.56,176.13 arc(69.41,176.9) 68.97,177.55 68.02,178.5 J203#2.1 ; 102.72,141.56 J206.1
  Top w1.8: C212.2 51.02,112.48 51.02,112.48 arc(51.19,113.19) 51.61,113.79 52.23,114.41 arc(52.88,114.85) 53.65,115 J206#2.1 ; J205.1 57.2,94.98 53.59,94.98 arc(52.82,95.13) 52.17,95.57 51.65,96.09 arc(51.21,96.74) 51.06,97.51 51.06,100.61 51.05,100.62 51.05,104.91 C211.2 ; C211#2.2 92.91,147.45 88.62,147.45 88.61,147.44 85.51,147.44 arc(84.74,147.29) 84.09,146.85 83.57,146.33 arc(83.13,145.68) 82.98,144.91 82.98,141.3 J205#2.1 ; J206.1 103,144.85 arc(102.85,145.62) 102.41,146.27 101.79,146.89 arc(101.19,147.31) 100.48,147.48 100.48,147.48 C212#2.2
  Bottom w0.2: U104#3.21 165.37,184.43 168.75,187.81 v1(169.06,187.81) ; v1(83.39,8.27) 85.63,8.27 87.78,10.43 89.78,10.43 91.44,12.08 91.44,16.48 v1(90.64,17.28) ; v1(175.79,103.98) 174.46,103.98 174.02,103.54 173.95,103.54 173.65,103.24 171.59,103.24 168.42,106.41 J101#2.1 ; U3#2.10 19.27,187.53 ; U106.24 159.31,162.96 157.41,161.06 157.41,158.61 v1(157.75,158.26) ; v1(153.49,172.41) 153.49,175.56 152.33,176.73 151.63,176.73 151.5,176.86 v1(151.5,177.14) ; v1(103.38,181.24) 103.38,182.84 104.38,183.84 106.27,183.84 109.38,186.95 109.38,191.92 v1(107.46,193.84) ; v1(141.93,181.19) 141.93,182.44 141.68,182.69 v1(141.68,185.71) ; 189.51,110.24 189.53,110.26 ; v1(21.26,99.88) 21.26,99.98 22.86,101.58 28.66,101.58 33.46,106.38 40.46,106.38 40.97,105.87 U202#2.7 ; U106.3 144.24,148.27 v1(143.38,149.13) ; v1(91.06,194.21) 91.06,194.06 91.48,193.64 103.46,193.64 v1(104.18,194.37) ; v1(98.78,178.79) 98.08,179.49 98.08,182.69 102.23,186.84 103.68,186.84 v1(103.78,186.94) 104.48,186.94 104.98,187.44 104.98,194.34 105.64,195 v1(106.38,195) ; v1(159.25,176.4) 162.26,173.38 v1(162.26,169.68) ; U202.8 89.06,156.26 86.58,158.74 86.58,180.42 v1(87.36,181.2) ; 112.3,115.71 v1(112.5,115.9) ; U106.38 162.66,148.27 159.32,144.92 139.47,144.92 139.09,145.31 139.09,146.83 135.04,150.88 135.04,169.51 133.97,170.58 133.97,175.49 138.45,179.97 v1(139.63,179.97) ; v1(156.67,161.12) 156.44,161.36 153.78,161.36 v1(153.66,161.48) ; v1(99.68,181.44) 98.98,182.14 98.98,182.32 102.6,185.94 106.58,185.94 106.98,186.34 106.98,189.14 v1(106.88,189.24) ; v1(112.52,116.93) 112.45,117 110.05,117 110.03,116.97 ; v1(194.73,111.64) 194.69,111.64 193.64,110.59 193.64,99.99 193.65,99.97 193.65,99.65 196.07,97.23 196.07,93.64 195.78,93.35 195.78,92.78 195.1,92.1 193.31,92.1 193.16,92.25 192.7,92.25 192.54,92.1 190.1,92.1 183.48,98.72 v1(180.9,98.72) ; v1(85.94,5.58) 85.94,7.72 88.2,9.98 90.04,9.98 91.84,11.78 91.84,16.93 v1(90.69,18.08) ; v1(157.68,175.76) 157.23,176.21 153.95,176.21 152.39,177.77 151.34,177.77 150.91,177.34 145.95,177.34 v1(145.95,177.34) 145.44,177.34 v1(142.72,174.62) ; v1(159.19,188.34) 158.82,187.97 158.11,187.97 157.2,188.88 v1(156.64,188.88) ; v1(153.51,165.56) 155.81,167.86 157.47,167.86 157.53,167.93 161.47,167.93 163.4,169.86 163.4,174.01 159.93,177.48 155.11,177.48 v1(154.67,177.92) ; v1(3.5,118.38) 3.5,117.64 4.16,116.98 11.06,116.98 11.56,116.48 v1(11.56,115.78) 11.66,115.68 11.66,114.23 15.81,110.08 19.01,110.08 v1(19.71,110.78) ; v1(151.59,190.58) 152.27,190.58 155.66,187.19 v1(160.66,187.19) ; v1(91.41,21.81) 91.41,23.41 91.14,23.68 91.14,23.89 90.84,24.19 90.84,27.28 93.14,29.58 J101.2 ; v1(165.46,150.81) U106.36 ; U106.25 160.58,162.96 160.06,162.44 159.88,162.44 158.36,160.92 158.36,158.06 v1(158.7,157.72) ; v1(90.04,22.18) 90.04,20.98 v1(89.74,20.68) ; v1(159.08,175.03) 159.69,175.03 161.01,173.71 161.01,171.97 157.3,168.26 154.56,168.26 151.69,165.39 U106.18 ; v1(102.88,176.94) 102.98,176.94 112.98,166.94 v1(119.78,166.94) ; v1(159.14,190.94) 157.9,190.94 v1(156.95,189.99) ; U106.15 143.79,167.57 v1(143.75,167.57) ; v1(17.86,111.63) 16.71,110.48 16.06,110.48 12.16,114.38 12.16,116.88 11.56,117.48 5.68,117.48 v1(5.35,117.81) ; U202#2.9 43.51,103.53 v1(43.46,103.48) ; U106.9 145.16,155.89 144.44,155.17 144.44,154.56 v1(144.75,154.25) ; v1(150.83,148.24) 149.46,148.24 v1(147.32,150.38) ; v1(193.77,97.8) 193.77,97.4 193.02,96.64 191.8,96.64 190,94.84 189.42,94.84 189.12,95.14 189.12,97.04 187.17,98.98 187.17,101.2 185.74,102.64 v1(181.52,102.64) ; 110.25,111.92 111.72,111.92 113.12,113.32 113.12,118.1 112.8,118.43 112.8,120.57 v1(113.35,121.12) ; v1(99.64,3.27) 99.64,3.31 98.59,4.36 87.99,4.36 87.98,4.35 87.65,4.35 85.23,1.93 81.64,1.93 81.35,2.22 80.78,2.22 80.1,2.9 80.1,4.69 80.25,4.84 80.25,5.3 80.1,5.46 80.1,7.9 86.73,14.53 v1(86.73,17.1) ; v1(91.98,22.21) 91.98,23.54 91.54,23.98 91.54,24.05 91.24,24.35 91.24,26.41 94.41,29.58 J101.1 ; v1(189.73,95.39) 189.73,97.63 187.58,99.78 187.58,101.78 185.92,103.44 181.52,103.44 v1(180.72,102.64) ; v1(14.36,191.19) 15.08,190.48 v1(15.08,188.35) 15.38,188.65 22.27,188.65 24.35,186.57 U3#2.14 ; v1(180.33,107.62) 180.88,108.18 ; U106.20 154.23,164.02 156.83,166.62 161.9,166.62 166.56,171.28 U103#3.5 ; U3#2.13 23.08,186.72 21.67,188.12 16.9,188.12 16.58,187.8 14.42,187.8 v1(13.88,188.35) ; U106.10 146.92,157.16 147.87,156.21 v1(147.87,152.03) ; v1(167.89,165.07) 167.89,165.09 165.13,167.85 v1(165.12,167.85) ; 29.36,109.18 26.63,111.91 22.56,111.91 v1(21.86,111.21) ; 29.36,107.91 25.76,111.5 22.87,111.5 22.42,111.06 22.42,110.78 21.99,110.35 v1(21.99,110.33) ; U202#2.8 42.24,101.06 39.76,98.58 18.08,98.58 v1(17.3,99.36) ; v1(95.62,17.68) 96.17,17.12 ; v1(167.95,190.5) 166.1,188.65 v1(165.84,188.65) ; v1(9.26,118.88) 9.36,118.98 12.16,118.98 12.56,118.58 12.56,114.6 16.18,110.98 16.36,110.98 v1(17.06,111.68) ; v1(21.56,114.88) 21.56,114.98 31.56,124.98 v1(31.56,131.78) ; v1(144.99,154.9) 145.27,154.62 U106.8 ; v1(105.59,194.15) 105.65,194.15 108.08,191.72 108.08,186.74 106.88,185.54 102.98,185.54 v1(99.68,182.24) ; U106.11 146.09,158.46 v1(144.79,158.46) ; v1(142.56,154.25) 143.53,153.28 143.53,151.44 145.43,149.54 U106.4 ; U103#3.8 168.97,175.09 170.66,173.4 170.66,164.78 165.07,159.19 165.07,156.39 164.57,155.89 U106.32 ; v1(77.25,102.03) 78.17,102.95 v1(78.17,104.25) ; 169.69,186.9 169.69,182.48 168.33,181.12 v1(167.55,181.12) 167.39,180.96 151.47,180.96 v1(151.04,181.39) ; 169.69,186.9 v1(169.69,193.7) ; 169.69,186.9 169.69,186.83 v1(168.01,185.15) ; v1(87.88,177.24) 87.98,177.24 89.58,175.64 89.58,169.84 94.38,165.04 94.38,158.04 93.87,157.53 U202.7 ; v1(178.07,103.54) 178.77,104.24 186.38,104.24 189.7,100.92 v1(189.7,99.8) 190.25,99.8 191.52,98.53 194.08,98.53 195.52,97.08 v1(195.52,94.2) ; v1(150.37,189.91) 155.76,184.52 v1(159.3,184.52) ; U103#3.9 168.97,176.36 171.19,174.14 171.19,164.32 165.47,158.59 165.47,155.82 164.26,154.62 U106.33 ; v1(91.54,19.93) 92.24,19.23 92.24,11.62 88.92,8.3 v1(87.8,8.3) 87.8,7.75 86.52,6.47 86.52,3.93 85.08,2.48 v1(82.2,2.48) ; v1(169.08,187.11) 166.37,184.4 U104#3.20 ; U106.39 163.09,147 160.42,144.34 139.49,144.34 138.68,145.14 138.68,145.31 137.81,146.19 137.53,146.19 132.29,151.43 132.29,176.93 139.12,183.76 v1(139.59,183.76) ; v1(119.78,168.24) 112.48,168.24 v1(102.88,177.84) ; v1(169.57,168.92) 165.41,168.92 164.05,167.56 164.05,166.52 162.31,164.78 158.38,164.78 158.04,164.44 U106.23 ; v1(165.67,161.74) 168.74,164.81 v1(168.74,168.35) ; v1(91.48,155.04) 91.53,154.99 U202.9 ; U106.19 152.96,164.02 155.99,167.05 161.44,167.05 166.94,172.55 U103#3.6 ; v1(99.21,176.64) 99.9,175.94 99.9,171.87 97.18,169.14 ; U104#3.8 170.8,194.11 170.8,186.21 v1(170.79,186.2) ; v1(98.33,176.51) 98.35,176.51 98.78,176.08 99.05,176.08 99.5,175.63 99.5,172.74 95.91,169.14 ; v1(99.63,180.64) 98.48,181.79 98.48,182.44 102.38,186.34 104.88,186.34 105.48,186.94 105.48,192.82 v1(105.8,193.15) ; U106.35 163.23,151.7 v1(162.77,151.7) ; v1(4.35,117.59) 4.35,117.65 6.78,120.08 11.76,120.08 12.96,118.88 12.96,114.98 v1(16.26,111.68) ; v1(176.19,103.41) 174.59,103.41 174.32,103.14 174.11,103.14 173.81,102.84 170.72,102.84 168.42,105.14 J101#2.2 ; v1(4.13,116.18) 4.86,115.46 4.86,103.48 4.44,103.06 v1(4.29,103.06) ; v1(20.86,115.88) 26.56,121.58 v1(26.56,131.78) ; 110.25,110.65 111.58,110.65 113.65,112.72 113.65,119.62 v1(113.35,119.93) 115.48,119.93 v1(116.19,120.64) ; v1(162.51,153.8) 162.96,153.35 U106.34 ; v1(170.24,195.15) 170.24,181.62 v1(169.21,180.59) 168.97,180.35 149.62,180.35 v1(149.49,180.48) ; U106.12 145.55,159.7 v1(145.08,159.23) ; v1(17.26,115.38) 15.66,115.38 14.66,116.38 14.66,118.27 11.55,121.38 6.58,121.38 v1(4.66,119.46) ; v1(179.92,102.69) 181.07,103.84 186.22,103.84 188.02,102.04 188.02,100.2 190.28,97.94 v1(192.42,97.94) ; v1(154.79,150.57) 153.79,149.57 149.55,149.57 v1(148.8,150.32) ; U106.6 146.78,152.08 147.38,151.48 148.38,151.48 151.12,154.22 151.12,157.03 v1(153.55,159.46) ; v1(153.02,167.79) 153.02,167.72 150.42,165.12 U106.17 ; v1(32.98,152.25) 32.05,153.17 v1(30.75,153.17) ; v1(90.64,16.48) 90.64,12.26 89.2,10.82 86.98,10.82 85.04,8.88 83.14,8.88 82.84,8.58 82.84,8 84.64,6.2 84.64,4.98 85.4,4.22 v1(85.8,4.22) ; U104#3.3 164.37,195.57 163.97,195.97 150.63,195.97 148.83,194.17 147.12,194.17 145.95,193 145.95,181.91 137.66,173.62 137.66,159.85 138.3,159.21 139.7,159.21 141.06,160.57 v1(141.33,160.57) ; v1(143.51,157.07) 143.51,157.07 143.51,154.69 144.85,153.35 U106.7 ; v1(162.85,170.12) 162.85,173.78 v1(159.7,176.93) ; v1(39.66,104.08) U202#2.6 ; v1(142.93,152.23) 142.83,152.13 142.83,148.17 142.57,147.91 141.88,147.91 141.45,147.48 141.45,146.6 141.01,146.16 SW101#3.1 ; v1(119.78,171.94) 109.58,171.94 v1(103.88,177.64) ; v1(164.6,167.34) 164.63,167.34 167.36,164.61 v1(167.36,164.61) ; U106.31 164.14,157.16 164.66,157.68 164.66,159.67 170.12,165.12 170.12,172.67 168.97,173.82 U103#3.7 ; v1(18.08,187.53) 18,187.45 18,185.06 18.02,185.03 ; v1(30.26,131.78) 30.26,124.48 v1(20.66,114.88) ; v1(92.08,158.84) U202.6 ; 19.29,187.31 v1(19.1,187.5) ; 148.02,194.83 148.02,195.07 ; 110.25,115.73 112.52,115.73 ; v1(165.5,149.54) U106.37 ; 98.24,8.49 98.26,8.47